# Altium PCB iWatch-screen.PcbDoc
Units mm, origin at the board's own origin, x right, y up, seen from the top; angles counter-clockwise.
Board outline 35 x 27.5 mm, 2 copper layers (Top Layer, Bottom Layer), stack 0.871 mm thick; 19 components, 31 nets, 98 pads, 20 vias.
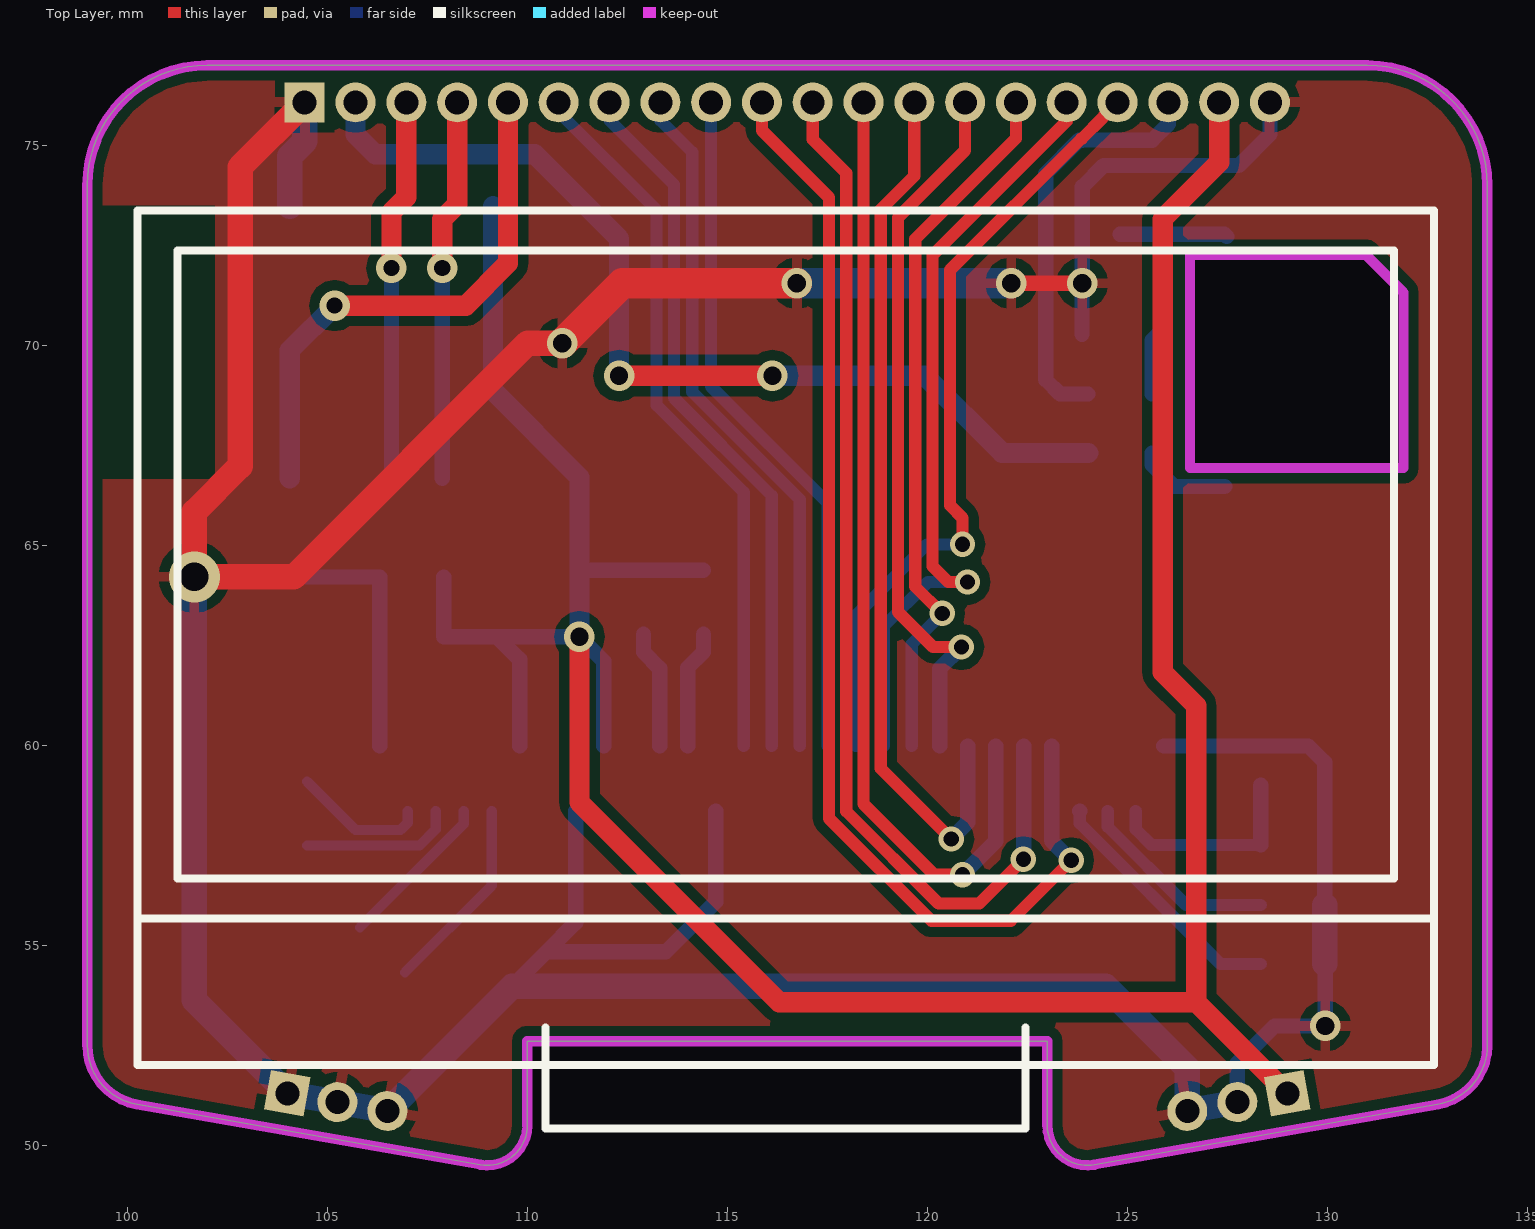
[diagram p0: Top Layer view]
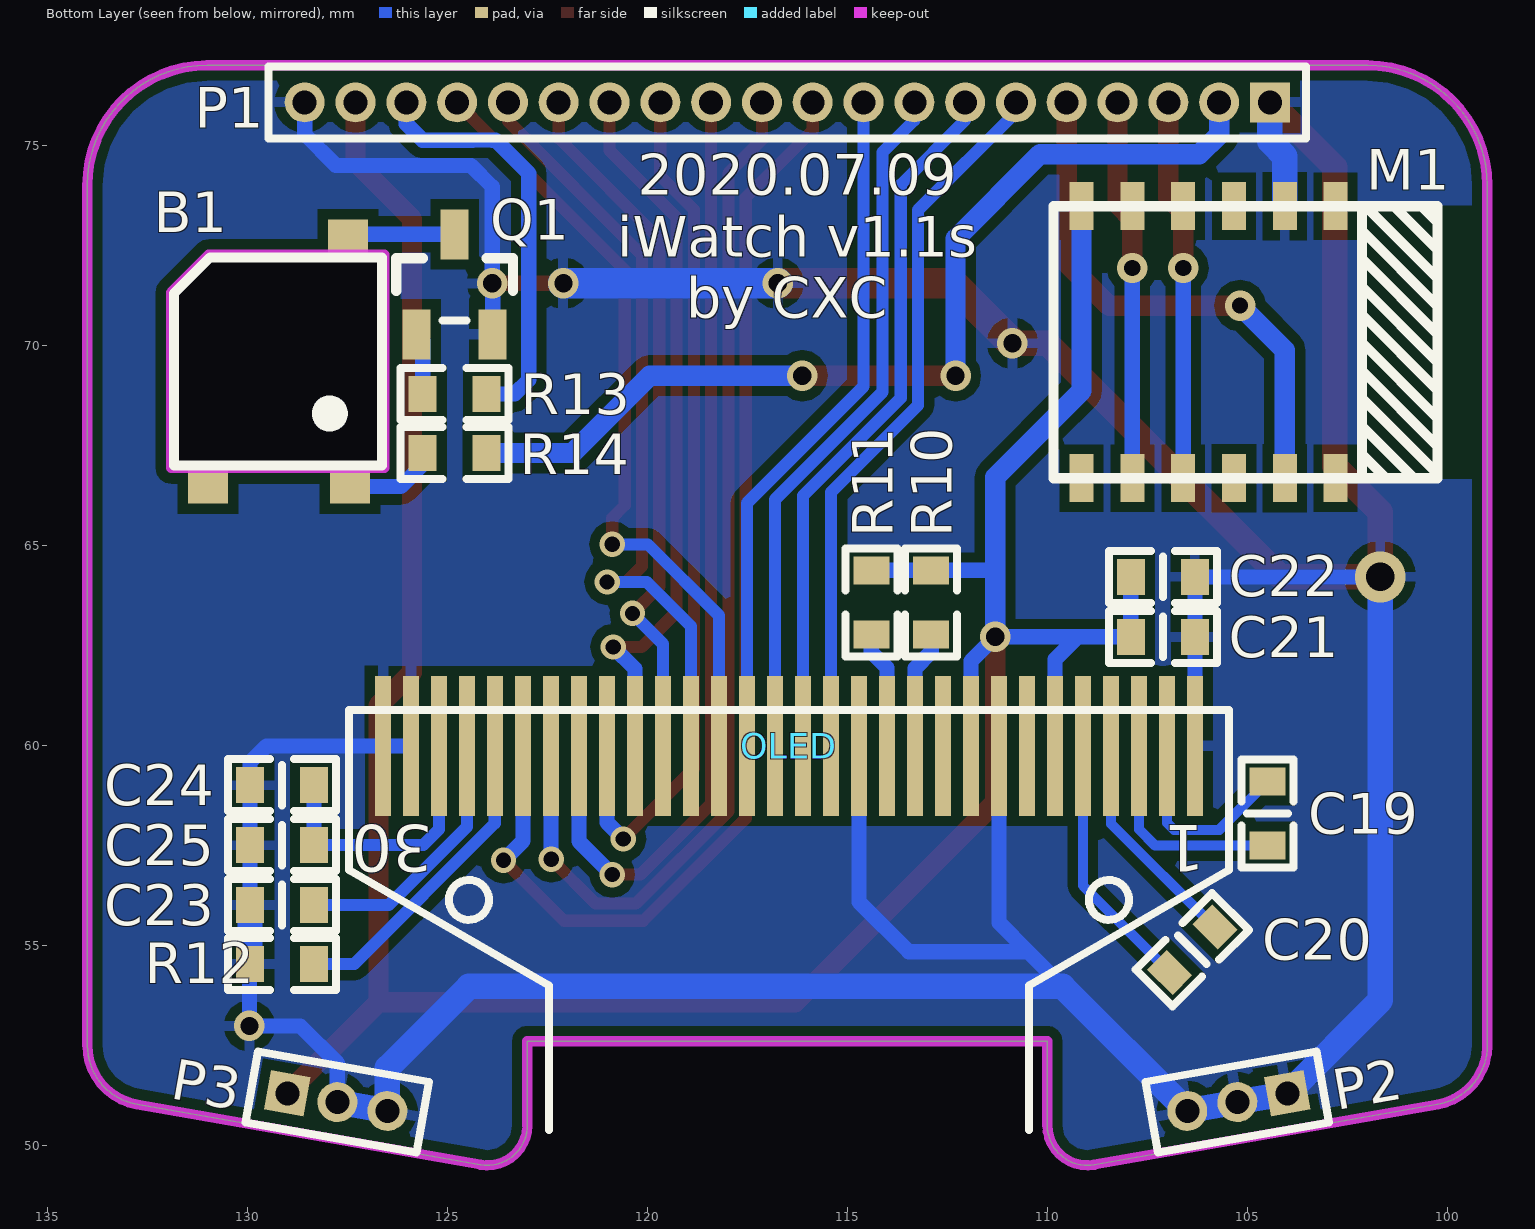
[diagram p1: Bottom Layer view, seen from below]
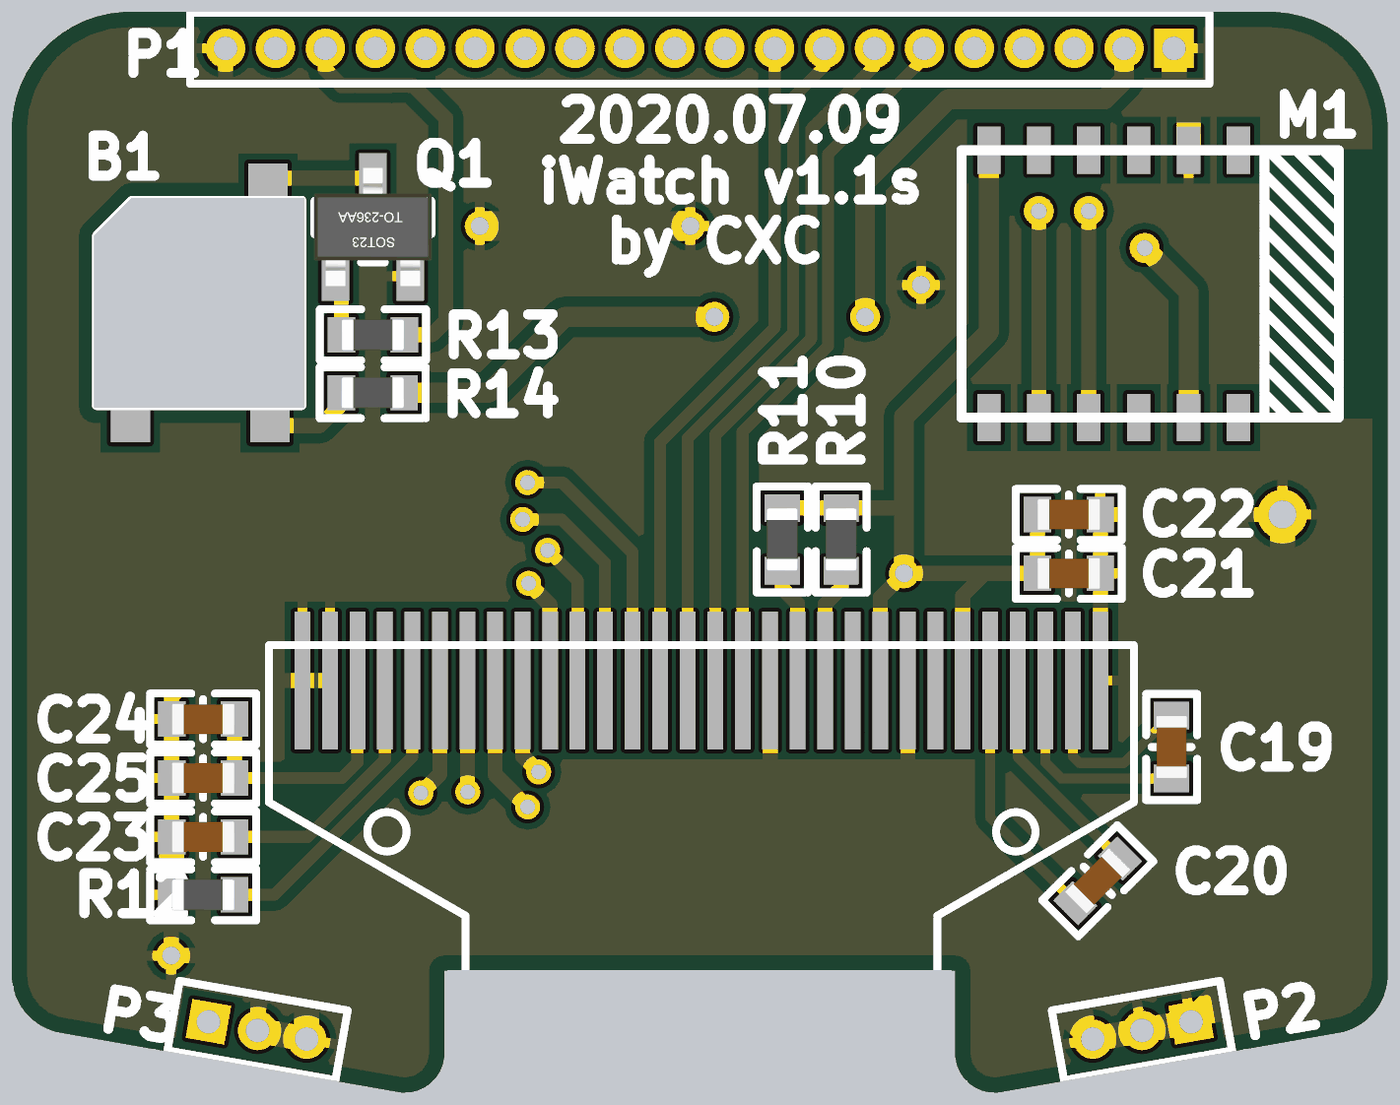
[diagram p2: 3D render of the assembled board from below, using the file's embedded part models]

## Layer stack, top to bottom
Top Solder: solder mask 0.0102, Solder Resist, Dk 3.5
Top Layer: signal copper 0.0356
Dielectric 1: dielectric 0.8, FR-4, Dk 4.8
Bottom Layer: signal copper 0.0356
Bottom Solder: solder mask 0.0102, Solder Resist, Dk 3.5

## Board outline
108.826,49.515 ccw(c109,50.5) 110,50.5 110,52.6 123,52.6 123,50.5 ccw(c124,50.5) 124.174,49.515 132.76,51.023 ccw(c132.5,52.5) 134,52.5 134,74 ccw(c131,74) 131,77 102,77 ccw(c102,74) 99,74 99,52.5 ccw(c100.5,52.5) 100.24,51.023
cut-out: 126.568,66.929 131.902,66.929 131.902,71.323 130.962,72.263 126.568,72.263

## Design rules (kind name [scope] priority, off if disabled: settings)
Clearance [All] p1: gap=0.254 except(0: Track-SMDPad SMDPad-Region; 0.127: Track-Track)
ComponentClearance [All] p1 off: gap=0.254 collisioncheckmode=3 verticalgap=0.254 showdistances=FALSE
PolygonConnect [All] p1: connectstyle=Relief reliefconductorwidth=0.254 reliefentries=4 polygonreliefangle="90 Angle" airgapwidth=0.254
RoutingVias [All] p1: holewidth=0.711 width=1.27 viastyle="Through Hole" minholewidth=0.711 minwidth=1.27 maxholewidth=0.711 maxwidth=1.27
SolderMaskExpansion [All] p1: expansion=0.102
Width [All] p1: maxlimit=0.762 minlimit=0.254 preferedwidth=0.381
29 further rules are at their usual default settings.

## Components (designator, comment, footprint, x,y, rotation, side; value= is the part's Value field where it differs from the comment)
B1 "Buzzer" "蜂鸣器5020 - 嵌入" 129.235,69.596 r90 bottom
C19 "1uF" C-0603-M 104.496,58.293 r270 bottom
C20 "1uF" C-0603-M 106.375,54.889 r315 bottom
C21 "10uF" C-0603-M 107.112,62.713 r180 bottom
C22 "0.1uF" C-0603-M 107.112,64.211 r180 bottom
C23 "10uF" C-0603-M 129.134,56.007 r0 bottom
C24 "10uF" C-0603-M 129.134,59.004 r180 bottom
C25 "0.1uF" C-0603-M 129.134,57.506 r180 bottom
M1 "PW02" PW02 105.334,70.079 r270 bottom
OLED "1.3\"-128*64" OLED-1.3-90 116.459,64.516 r0 top
P1 "MHDR1X20" MHDR1X20 104.435,76.073 r0 bottom
P2 "MHDR1X3" MHDR1X3 104,51.3 r350 bottom
P3 "MHDR1X3" MHDR1X3 129,51.3 r190 bottom
Q1 "NPN" SOT-23(SOT-23-3) 124.816,71.526 r270 bottom
R10 "2k" R-0603-M 112.903,63.576 r90 bottom
R11 "2k" R-0603-M 114.402,63.576 r90 bottom
R12 "560k" R-0603-M 129.134,54.534 r0 bottom
R13 "1k" R-0603-M 124.816,68.783 r0 bottom
R14 "200" R-0603-M 124.82,67.31 r180 bottom

## Footprints (in the part's own frame and the unit in brackets; to place one, negate y for a bottom-side part, rotate by r counter-clockwise, add the part's x,y. Pads: shape width x height; smd on the part's side, far side on the other; paste and mask are expansions set on the pad)
C-0603-M [mm]
  rect 0.7x0.9 smd: 1(-0.8,0) 2(0.8,0)
  silkscreen extent -1.35,-0.65 1.35,0.65, body extent -0.8,-0.4 0.8,0.4, height 0.6
MHDR1X3 [mm] "Connector; Header; 3 Position"
  rect 1x1 hole 0.6: 1(0,0)
  round 1 hole 0.6: 2(1.27,0) 3(2.54,0)
  silkscreen extent -0.9,-0.9 3.44,0.9
MHDR1X20 [mm] "Connector; Header; 20 Position"
  rect 1x1 hole 0.6: 1(0,0)
  round 1 hole 0.6: 2(1.27,0) 3(2.54,0) 4(3.81,0) 5(5.08,0) 6(6.35,0) 7(7.62,0) 8(8.89,0) 9(10.16,0) 10(11.43,0) 11(12.7,0) 12(13.97,0) 13(15.24,0) 14(16.51,0) 15(17.78,0) 16(19.05,0) 17(20.32,0) 18(21.59,0) 19(22.86,0) 20(24.13,0)
  silkscreen extent -0.9,-0.9 25.03,0.9
OLED-1.3-90 [mm]
  rect 0.4x3.5 smd far side: 1(-10.15,-4.53) 2(-9.45,-4.53) 3(-8.75,-4.53) 4(-8.05,-4.53) 5(-7.35,-4.53) 6(-6.65,-4.53) 7(-5.95,-4.53) 8(-5.25,-4.53) 9(-4.55,-4.53) 10(-3.85,-4.53) 11(-3.15,-4.53) 12(-2.45,-4.53) 13(-1.75,-4.53) 14(-1.05,-4.53) 15(-0.35,-4.53) 16(0.35,-4.53) 17(1.05,-4.53) 18(1.75,-4.53) 19(2.45,-4.53) 20(3.15,-4.53) 21(3.85,-4.53) 22(4.55,-4.53) 23(5.25,-4.53) 24(5.95,-4.53) 25(6.65,-4.53) 26(7.35,-4.53) 27(8.05,-4.53) 28(8.75,-4.53) 29(9.45,-4.53) 30(10.15,-4.53)
  silkscreen extent -16.21,-14.1 16.21,8.85, body extent -16.21,-14.1 16.21,8.85, height 1.28
PW02 [mm] "蓝牙模块"
  rect 1.2x0.6 smd: 1(-3.4,2.54) 2(-3.4,1.27) 3(-3.4,0) 4(-3.4,-1.27) 5(-3.4,-2.54) 6(-3.4,-3.81) 7(3.4,-3.81) 8(3.4,-2.54) 9(3.4,-1.27) 10(3.4,0) 11(3.4,1.27) 12(3.4,2.54)
  silkscreen extent -3.4,-4.51 3.4,5.09
R-0603-M [mm]
  rect 0.7x0.9 smd: 1(-0.8,0) 2(0.8,0)
  silkscreen extent -1.35,-0.65 1.35,0.65, body extent -0.8,-0.4 0.8,0.4, height 0.38
SOT-23(SOT-23-3) [mm]
  rect 1.25x0.7 smd: 1(1.25,-0.95) 2(1.25,0.95) 3(-1.25,0)
  silkscreen extent -0.65,-1.46 0.9,1.46, body extent -1.5,-1.5 1.5,1.5, height 1.3
"蜂鸣器5020 - 嵌入" [mm] "无源蜂鸣器"
  rect 0.85x1 smd: 1(-3.125,-1.8) 2(3.125,-1.75) 3(-3.125,1.75)
  silkscreen extent -2.6,-2.6 2.6,2.6

## Part data
B1: "蜂鸣器"
C19 C20 C21 C22 C23 C24 C25: library part Cap, "陶瓷电容"
M1: "蓝牙模块"
OLED: library part OLED-1.3
P1: "Header, 20-Pin"
P2 P3: "Header, 3-Pin"
Q1: "NPN Bipolar Transistor"
R10 R11 R12 R13 R14: library part Resistor, "Resistor"

## Via types
v1: diameter 0.762, hole 0.457, Top Layer to Bottom Layer, 8 vias
v2: diameter 0.635, hole 0.381, Top Layer to Bottom Layer, 8 vias
v3: diameter 0.762, hole 0.406, Top Layer to Bottom Layer, 3 vias
v4: diameter 1.27, hole 0.711, Top Layer to Bottom Layer, 1 vias

## Nets (pads, with @x,y where several pads share a name; then routed paths per layer and width w, separated by ;. In a path a pad name is that pad's centre, name@x,y a point inside that pad or via, vN(x,y) a via of type N, cw(c..) or ccw(c..) an arc to the next point about the centre after c; other vN are vias at no path point)
3V3: C21.1 C22.1 M1.6 OLED.6 OLED.9 P1.19 P3.1 R10.2 R11.2 | length 73.9
  Top Layer w0.508: v1(111.303,62.713) 111.303,58.572 116.296,53.579 126.721,53.579 ; P1.19 127.295,74.572 125.882,73.159 125.882,61.824 126.721,60.985 126.721,53.579 ; P3.1 126.721,53.579
  Bottom Layer w0.381: C22.1 C21.1 109.245,62.713 ; OLED.6 109.809,62.149 109.245,62.713 ; 111.303,64.376 R10.2 R11.2 ; OLED.9 111.909,62.106 v1(111.303,62.713) 109.245,62.713
  Bottom Layer w0.508: M1.6 109.144,68.859 111.303,66.7 111.303,64.376 v1(111.303,62.713)
BS1: OLED.11 R10.1 | length 3
  Bottom Layer w0.381: R10.1 112.903,62.332 113.309,61.926 OLED.11
BS2: OLED.12 R11.1 | length 3
  Bottom Layer w0.381: OLED.12 114.009,61.939 114.402,62.332 R11.1
BUZZER: P1.18 R13.1 | length 10.5
  Bottom Layer w0.381: R13.1 123.317,68.783 122.961,69.139 122.961,74.295 123.795,75.128 123.876,75.128 123.881,75.133 124.359,75.133 124.364,75.128 125.624,75.128 126.025,75.53 P1.18
D0: OLED.18 P1.17 | length 19.6
  Top Layer w0.305: v2(120.879,65.024) 120.879,65.684 120.564,65.999 120.564,71.882 123.849,75.167 123.86,75.167 124.391,75.698 124.391,75.709 P1.17
  Bottom Layer w0.305: OLED.18 118.209,63.243 119.99,65.024 v2(120.879,65.024)
D1: OLED.19 P1.16 | length 19.6
  Top Layer w0.305: v2(121.006,64.084) 120.523,64.084 120.132,64.475 120.132,72.253 123.485,75.606 P1.16
  Bottom Layer w0.305: OLED.19 118.909,62.978 120.015,64.084 v2(121.006,64.084)
D2: OLED.20 P1.15 | length 17.7
  Top Layer w0.305: v2(120.371,63.297) 119.7,63.967 119.7,72.66 122.215,75.174 P1.15
  Bottom Layer w0.305: OLED.20 119.609,62.535 v2(120.371,63.297)
D3: OLED.21 P1.14 | length 18.1
  Top Layer w0.305: v2(120.853,62.459) 120.142,62.459 119.269,63.332 119.269,73.193 120.945,74.869 P1.14
  Bottom Layer w0.381: OLED.21 120.309,61.914 v2(120.853,62.459)
D4: OLED.22 P1.13 | length 22
  Top Layer w0.305: P1.13 119.675,74.234 118.837,73.396 118.837,59.42 v2(120.599,57.658)
  Bottom Layer w0.381: v2(120.599,57.658) 121.009,58.068 OLED.22
D5: OLED.23 P1.12 | length 24.3
  Top Layer w0.305: P1.12 118.405,58.531 120.167,56.769 v2(120.879,56.769)
  Bottom Layer w0.381: v2(120.879,56.769) 121.709,57.599 OLED.23
D6: OLED.24 P1.11 | length 26.7
  Top Layer w0.305: P1.11 117.135,75.143 117.973,74.305 117.973,58.353 120.281,56.045 121.298,56.045 v2(122.403,57.15)
  Bottom Layer w0.381: v2(122.403,57.15) 122.409,57.156 OLED.24
D7: OLED.25 P1.10 | length 29.4
  Top Layer w0.305: P1.10 115.865,75.372 117.541,73.695 117.541,58.174 120.102,55.613 122.085,55.613 v2(123.596,57.125)
  Bottom Layer w0.381: OLED.25 123.109,57.612 v2(123.596,57.125)
D/C\: OLED.15 P1.7 | length 17.8
  Bottom Layer w0.305: P1.7 112.055,75.626 113.665,74.016 113.665,68.682 116.109,66.238 OLED.15
E/R\D\: OLED.17 P1.9 | length 17.3
  Bottom Layer w0.305: P1.9 114.595,68.973 117.509,66.059 OLED.17
E\N\: M1.9 P1.3 | length 9.5
  Top Layer w0.508: v3(106.604,71.933) 106.604,73.33 106.975,73.701 P1.3
  Bottom Layer w0.381: M1.9 v3(106.604,71.933)
GND: C21.2 C22.2 C23.2 C24.1 C25.1 M1.2 OLED.1 OLED.8 OLED.13 OLED.29 OLED.30 P1.1 P1.20 P2.1 P2.2 P2.3 P3.2 P3.3 Q1.2 R12.2 | length 126.9
  Top Layer w0.381: v1(122.098,71.552) v1(123.876,71.552)
  Top Layer w0.635: P1.1 102.819,74.457 102.819,66.98 101.676,65.837 v4(101.676,64.211) 104.165,64.211 110.007,70.053 v1(110.871,70.053)
  Top Layer w0.762: v1(110.871,70.053) 112.37,71.552 v1(116.738,71.552)
  Bottom Layer w0.381: v4(101.676,64.211) C22.2 106.309,64.208 OLED.1 ; 109.617,53.975 110.481,54.839 ; OLED.8@111.209,58.36 111.209,55.567 110.481,54.839 ; OLED.13@114.709,58.36 114.709,56.086 113.462,54.839 110.481,54.839 ; Q1.2 123.866,71.542 v1(123.876,71.552) 123.876,73.965 124.409,74.498 127.787,74.498 128.565,75.276 P1.20 ; OLED.29 OLED.30 129.523,59.986 129.934,59.576 C24.1 C25.1 C23.2 ; P3.2 127.749,52.057 128.676,52.984 v1(129.946,52.984) 129.946,54.521 R12.2
  Bottom Layer w0.635: v4(101.676,64.211) 101.676,53.624 P2.1 P2.2 P2.3 109.617,53.975 124.46,53.975 126.499,51.936 P3.3 P3.2 ; M1.2 104.064,74.727 104.435,75.098 P1.1 ; R12.2 C23.2
  Bottom Layer w0.762: v1(116.738,71.552) v1(122.098,71.552)
NetB1_1: B1.1 R14.1 | length 2.3
  Bottom Layer w0.381: R14.1 125.62,67.014 126.163,66.471 B1.1
NetB1_2: B1.2 Q1.3 | length 2.7
  Bottom Layer w0.381: Q1.3 127.43,72.776 B1.2
NetC19_1: C19.1 OLED.2 | length 3.4
  Bottom Layer w0.254: C19.1 105.702,57.887 106.832,57.887 107.009,58.063 OLED.2@107.009,58.36
NetC19_2: C19.2 OLED.3 | length 3.8
  Bottom Layer w0.254: C19.2 107.302,57.493 107.709,57.9 OLED.3@107.709,58.36
NetC20_1: C20.1 OLED.4 | length 4
  Bottom Layer w0.254: C20.1@105.816,55.448 108.409,58.041 OLED.4@108.409,58.36
NetC20_2: C20.2 OLED.5 | length 4.9
  Bottom Layer w0.254: C20.2 109.109,56.492 OLED.5@109.109,58.36
NetC23_1: C23.1 OLED.27 | length 5
  Bottom Layer w0.305: OLED.27@124.509,58.36 124.509,57.965 126.467,56.007 C23.1
NetC24_2: C24.2 C25.2 OLED.28 | length 5.2
  Bottom Layer w0.305: OLED.28@125.209,58.36 125.209,57.9 125.603,57.506 C25.2
  Bottom Layer w0.381: C25.2 C24.2
NetOLED_26: OLED.26 R12.1 | length 6.3
  Bottom Layer w0.305: OLED.26@123.812,58.357 123.812,58.051 127.329,54.534 R12.1
  Bottom Layer w0.381: OLED.26@123.809,58.36 OLED.26@123.812,58.357
NetQ1_1: Q1.1 R13.2 | length 1.6
  Bottom Layer w0.381: R13.2 125.616,70.126 Q1.1
R/W\: OLED.16 P1.8 | length 17.5
  Bottom Layer w0.305: P1.8 113.325,75.626 114.122,74.828 114.122,68.835 116.809,66.148 OLED.16
R\E\S\: OLED.14 P1.6 | length 18
  Bottom Layer w0.305: P1.6 110.785,75.829 113.233,73.381 113.233,68.503 115.409,66.327 OLED.14
RXD: M1.11 P1.5 | length 13.6
  Top Layer w0.508: v3(105.181,70.993) 108.458,70.993 109.515,72.05 P1.5
  Bottom Layer w0.508: M1.11 104.064,69.875 v3(105.181,70.993)
TXD: M1.8 P1.4 | length 9.5
  Top Layer w0.508: v3(107.874,71.933) 107.874,73.152 108.245,73.523 P1.4
  Bottom Layer w0.381: M1.8 v3(107.874,71.933)
VDD: P1.2 R14.2 | length 24.4
  Top Layer w0.508: v1(112.293,69.24) v1(116.129,69.24)
  Bottom Layer w0.508: P1.2 105.705,75.27 106.197,74.778 110.185,74.778 112.293,72.669 v1(112.293,69.24) ; v1(116.129,69.24) 119.939,69.24 121.869,67.31 R14.2
pads on no net: B1.3 M1.1 M1.3 M1.4 M1.5 M1.7 M1.10 M1.12 OLED.7 OLED.10

## Polygon pours and split planes (outlines as drawn)
GND on Top Layer "Keep-Out Layer-No Net" (solid, remove dead copper, pour order 52): 97.968,78.435 97.003,77.47 97.003,48.717 135.712,48.717 135.839,48.844 135.433,49.251 135.433,78.257
GND on Bottom Layer "Keep-Out Layer-No Net" (solid, remove dead copper, pour order 56): 134.163,80.035 136.144,78.054 136.144,48.209 97.409,48.209 97.13,47.93 97.917,48.717 97.917,79.019

## Keep-outs
Keep-Out Layer:
  lines w0.254: 100.24,51.023 cw(c100.5,52.5) 99,52.5 99,74 cw(c102,74) 102,77 131,77 cw(c131,74) 134,74 134,66.37 134,60.3 134,52.5 cw(c132.5,52.5) 132.76,51.023 ; 100.24,51.023 108.826,49.515 ccw(c109,50.5) 110,50.5 110,52.6 123,52.6 123,50.5 ccw(c124,50.5) 124.174,49.515 132.76,51.023 ; 126.568,66.929 126.568,72.263 130.962,72.263 131.902,71.323 131.902,66.929 126.568,66.929

## Other copper
Multi-Layer:
  pour cut-out: 99,66.65 100.584,66.65 102.192,66.65 102.192,69.918 102.192,73.508 99,73.508

## Silkscreen, mask and mechanical layers (free items; w line width, h text height)
Bottom Overlay:
  text "2020.07.09" at 120.244,73.762 h1.02
  text "iWatch v1.1s" at 120.752,72.212 h1.02
  text "by CXC" at 119.024,70.688 h1.02
Mechanical 1:
  lines w0.254: 100.24,51.023 cw(c100.5,52.5) 99,52.5 99,74 cw(c102,74) 102,77 131,77 cw(c131,74) 134,74 134,66.37 134,60.3 134,52.5 cw(c132.5,52.5) 132.76,51.023 ; 100.24,51.023 108.826,49.515 ccw(c109,50.5) 110,50.5 110,52.6 123,52.6 123,50.5 ccw(c124,50.5) 124.174,49.515 132.76,51.023 ; 131.902,66.929 126.568,66.929 126.568,72.263 130.962,72.263 131.902,71.323 131.902,66.942

## Text inside footprints (layer, text, board x,y; h text height)
OLED: Bottom Overlay "30" at 125.359,58.386 h2 r180; Bottom Overlay "1" at 106.059,58.386 h2 r180